# EAGLE board Mk4 Final a Panel score (EAGLE 9.0.1), part 8 of 24 (continued)
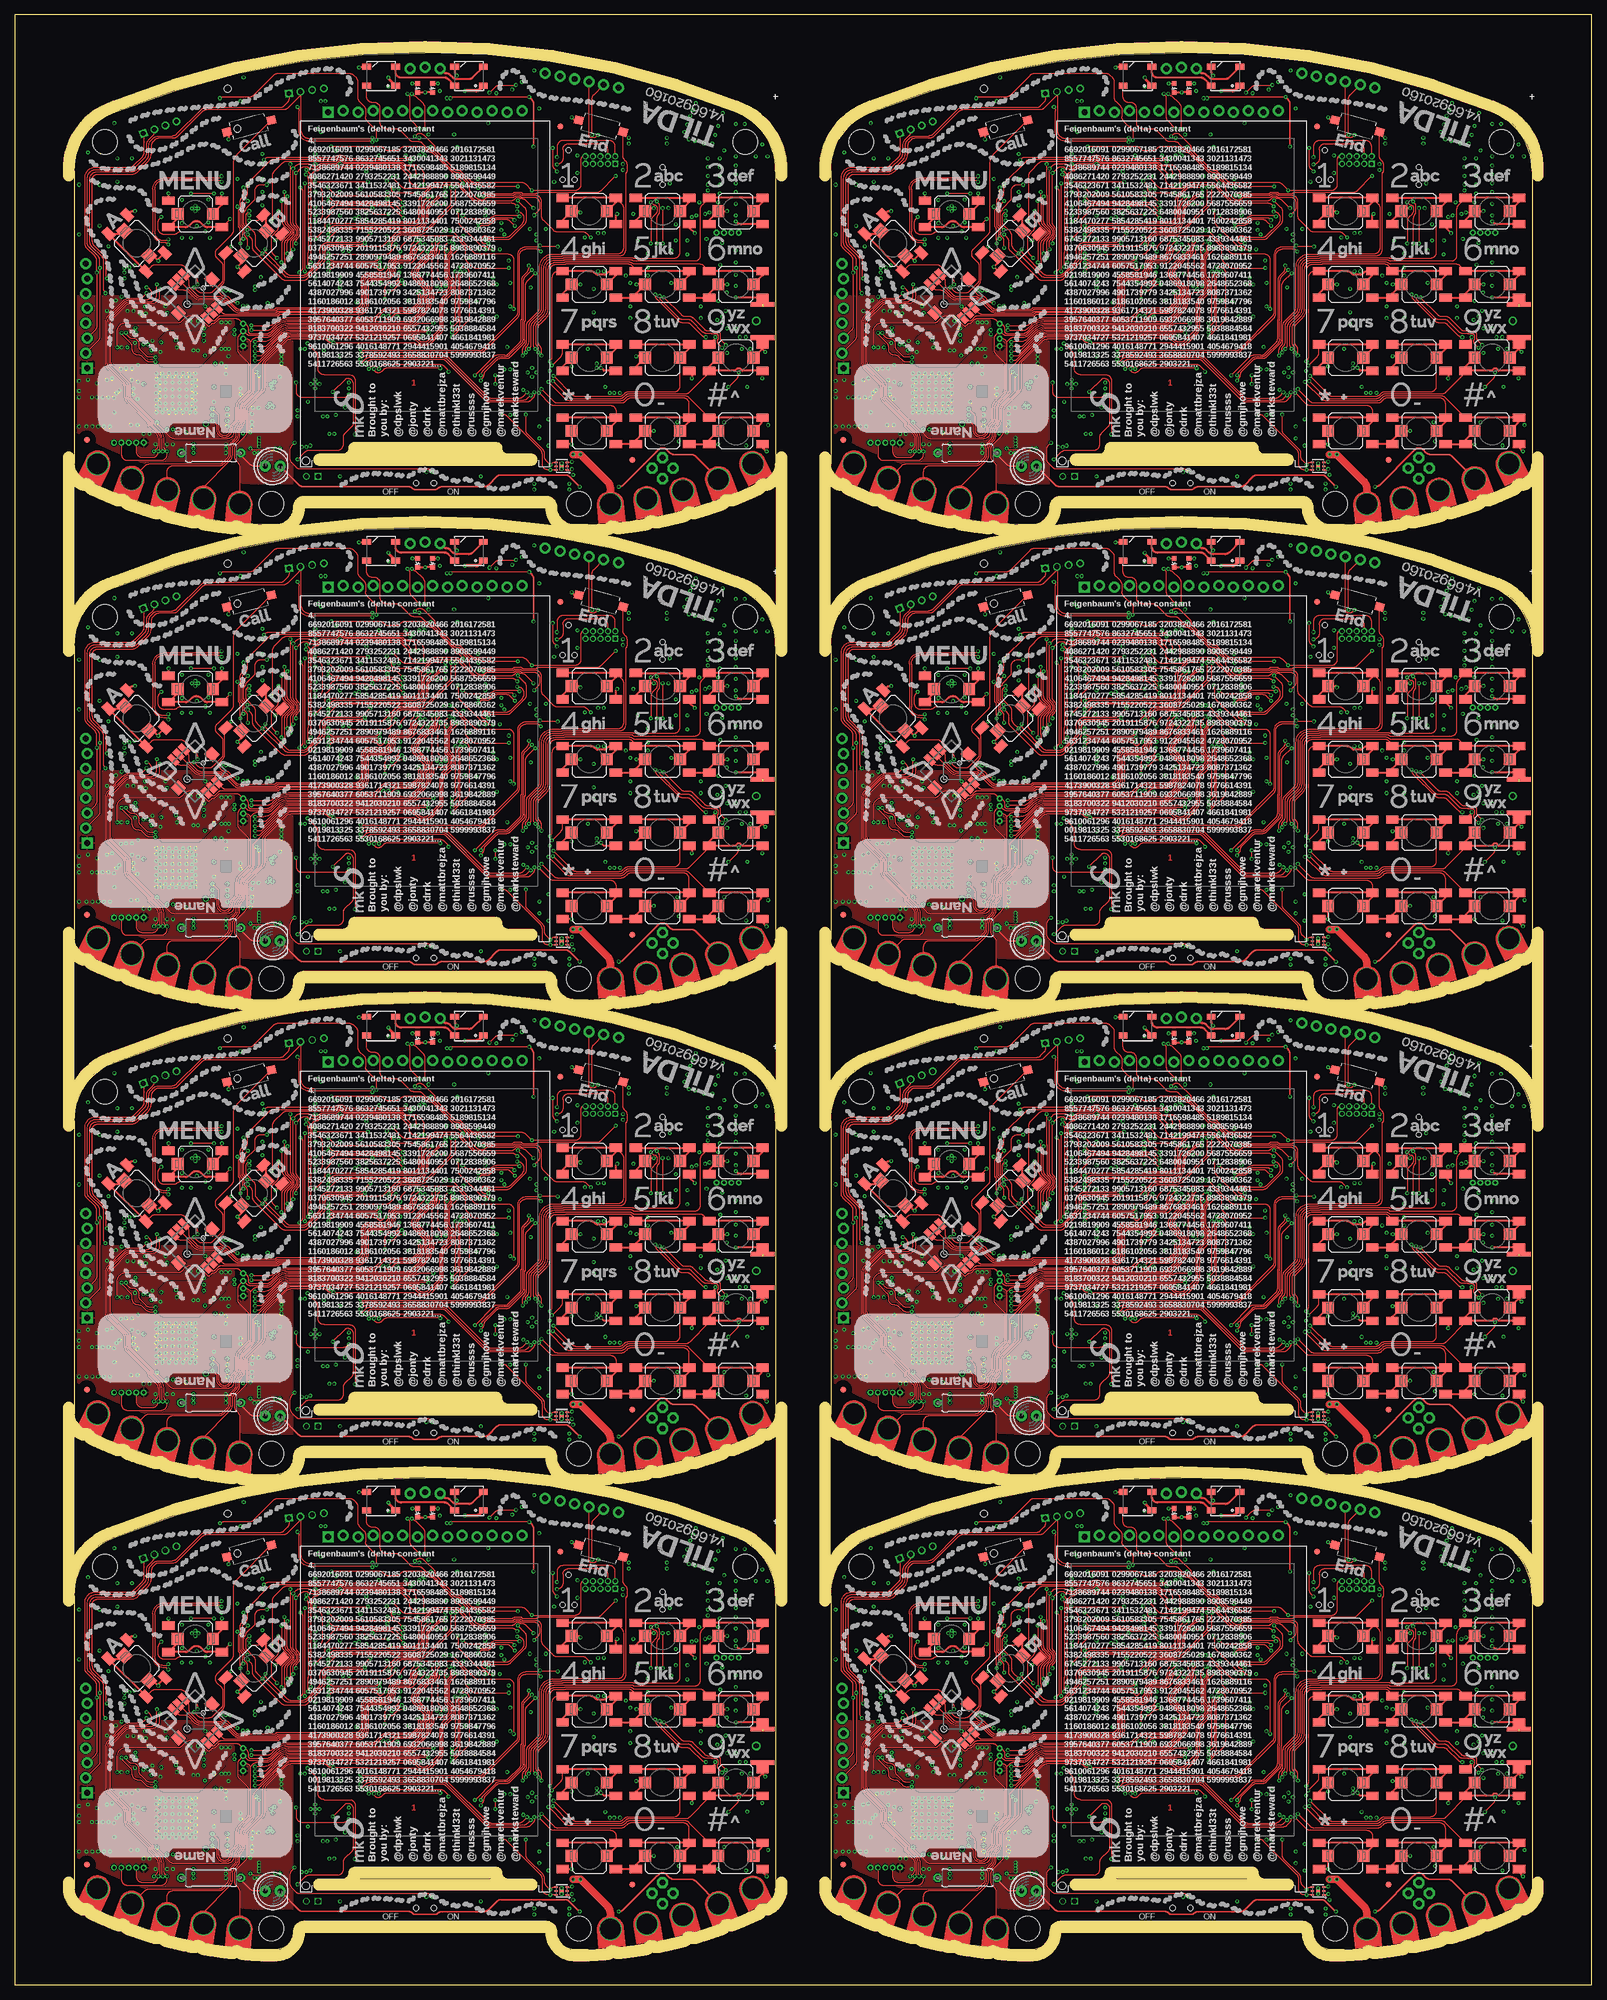
[diagram p0: board, top side]
## Tracks (layer width: path | path; a pad name or v marks a point on that pad's centre or on a via) (continued)
  Top 0.3: S117.2 256.26,185.26 arc45 256.55,185.96 S117.B2 S117.B1
  Bottom 0.15: IC103.12 219.65,192.75 v220.05,192.35
BTN_71  (via drill 0.3)
  Top 0.2: S107.B1 221.7,211.25 arc90 220.7,210.25 220.7,199.2 220.7,199 220.7,196.71 arc-45 220.41,196.01 v220.3,195.9
  Top 0.3: S107.2 231.55,210.55 S107.B2 230.76,211.25 arc45 230.06,210.96 229.9,210.8 arc-45 229.54,210.65 228.46,210.65 arc-45 228.1,210.8 227.94,210.96 arc45 227.24,211.25 S107.B1
  Bottom 0.15: IC103.7 219.65,195.25 v220.3,195.9
BTN_72  (via drill 0.3)
  Top 0.2: v220.63,195.17 222.16,196.7 arc45 222.45,197.4 S108.B1
  Top 0.3: S108.2 231.55,198.05 S108.B2 S108.B1
  Bottom 0.15: IC103.8 219.97,194.75 220.02,194.8 arc45 220.43,194.97 v220.63,195.17
BTN_73  (via drill 0.3)
  Top 0.2: S127.B2 103.61,303.69 arc-45 103.9,302.99 103.9,296.25 arc-90 102.9,295.25 93.31,295.25 93.23,295.18 91.8,295.18 arc90 89.55,292.93 89.55,286.09 arc-45 89.26,285.38 87.62,283.74 arc45 87.33,283.04 87.33,280.31 arc-45 87.03,279.61 86.94,279.52 arc45 86.65,278.81 v86.65,277.85
  Top 0.3: S127.2 102.55,304.05 S127.B2 S127.B1
  Bottom 0.15: IC121.1 87,277.42 arc45 86.94,277.56 v86.65,277.85
BTN_74  (via drill 0.3)
  Top 0.2: S131.2 113.5,295.5 arc-90 112.5,294.5 105.48,294.5 105.44,294.55 93.6,294.55 93.53,294.48 92,294.48 arc90 90.25,292.73 90.25,286.01 arc-45 89.81,284.95 88.39,283.53 arc45 88.1,282.82 88.1,279.81 arc-45 87.81,279.11 v87.7,279
  Top 0.3: S131.2 115.05,304.05 S131.B2 S131.B1
  Bottom 0.15: IC121.3 88,278.29 arc45 v87.71,278.99 v87.7,279
BTN_75  (via drill 0.3)
  Top 0.2: S135.B1 117.29,303.59 arc45 117,302.89 117,295 arc-90 116,294 105.57,294 arc-45 105.43,294.06 105.35,294.14 arc45 105.21,294.2 93.75,294.2 93.67,294.12 92.1,294.12 arc90 90.6,292.62 90.6,285.96 arc-45 90.09,284.73 88.79,283.43 arc45 88.5,282.73 88.5,279.71 arc45 v88.79,279.01 v88.8,279
  Top 0.3: S135.2 127.55,304.05 S135.B2 S135.B1
  Bottom 0.15: IC121.4 88.5,278.29 arc-45 v88.79,278.99 v88.8,279
BTN_76  (via drill 0.3)
  Top 0.2: S130.B2 102.55,268.4 arc90 101.55,269.4 91.91,269.4 arc-45 91.21,269.69 v89.4,271.5
  Top 0.3: S130.2 102.55,266.55 S130.B2 S130.B1
  Bottom 0.15: IC121.14 89,272.31 arc45 89.15,271.95 89.26,271.84 arc-45 v89.4,271.5
BTN_77  (via drill 0.3)
  Top 0.2: S132.B1 105.95,292.55 105.29,293.21 arc45 104.59,293.5 94.03,293.5 93.96,293.43 92.35,293.43 arc90 91.35,292.43 91.35,285.93 arc-45 90.69,284.34 89.59,283.24 arc45 89.3,282.54 89.3,280.19 arc45 89.59,279.48 arc-45 89.85,278.86 v89.85,277.85
  Top 0.3: S132.2 115.05,291.55 S132.B2 S132.B1
  Bottom 0.15: IC121.6 89.5,277.29 arc-45 89.65,277.65 v89.85,277.85
BTN_78  (via drill 0.3)
  Top 0.2: S133.2 113.5,272.7 arc-90 112.5,271.7 104.71,271.7 arc45 104.01,271.41 103.79,271.19 arc-45 103.09,270.9 97.7,270.9 95.81,270.9 arc-45 95.11,271.19 v91.9,274.4
  Top 0.3: S133.2 115.05,279.05 S133.B2 S133.B1
  Bottom 0.15: IC121.10 91.01,274.75 91.03,274.73 91.16,274.73 arc-45 91.87,274.43 v91.9,274.4
BTN_79  (via drill 0.3)
  Top 0.2: S134.B2 115.05,269.6 arc90 114.05,270.6 105.11,270.6 arc45 104.41,270.31 104.19,270.09 arc-45 103.49,269.8 92.61,269.8 arc-45 91.91,270.09 v89.85,272.15
  Top 0.3: S134.2 115.05,266.55 S134.B2 S134.B1 | S134.B1 105.75,267.25 105.5,267 105.7,267 S134.B1
  Bottom 0.15: IC121.13 89.5,272.5 v89.85,272.15
BTN_80  (via drill 0.3)
  Top 0.2: S136.B1 117.49,293.21 arc45 116.79,293.5 105.58,293.5 arc-45 105.44,293.56 arc45 104.73,293.85 93.89,293.85 93.81,293.77 92.25,293.77 arc90 91,292.52 91,285.97 arc-45 90.41,284.56 89.19,283.34 arc45 88.9,282.63 88.9,280.09 arc45 89.19,279.38 arc-45 89.35,279.01 89.35,278.77 89.3,278.72 v89.3,278.4
  Top 0.3: S136.2 127.55,291.55 S136.B2 S136.B1
  Bottom 0.15: IC121.5 89,277.69 arc-45 v89.29,278.39 v89.3,278.4
BTN_81  (via drill 0.3)
  Top 0.2: v91.8,273.5 94.46,270.84 arc45 95.16,270.55 103.23,270.55 arc45 103.94,270.84 104.1,271.01 arc-45 104.81,271.3 114.39,271.3 arc45 115.09,271.59 118.45,274.95 S137.B2
  Top 0.3: S137.2 118.45,275.95 S137.B2 122.9,275.25 123.25,275.6 123.75,275.6 124.1,275.25 S137.B1
  Bottom 0.15: IC121.11 90.64,274.25 arc-45 91.34,273.96 v91.8,273.5
BTN_82  (via drill 0.3)
  Top 0.2: S138.B1 115.04,270.66 arc45 114.34,270.95 104.95,270.95 arc45 104.25,270.66 104.08,270.49 arc-45 103.38,270.2 94.61,270.2 arc-45 93.91,270.49 v91.05,273.35
  Top 0.3: S138.2 127.26,266.26 arc45 127.55,266.96 S138.B2 S138.B1
  Bottom 0.15: IC121.12 90.65,273.75 v91.05,273.35
BTN_83  (via drill 0.3)
  Top 0.2: S128.B1 92.7,292.25 arc90 91.7,291.25 91.7,280.2 91.7,280 91.7,277.71 arc-45 91.41,277.01 v91.3,276.9
  Top 0.3: S128.2 102.55,291.55 S128.B2 101.76,292.25 arc45 101.06,291.96 100.89,291.8 arc-45 100.54,291.65 99.46,291.65 arc-45 99.11,291.8 98.94,291.96 arc45 98.24,292.25 S128.B1
  Bottom 0.15: IC121.7 90.65,276.25 v91.3,276.9
BTN_84  (via drill 0.3)
  Top 0.2: v91.63,276.17 93.16,277.7 arc45 93.45,278.4 S129.B1
  Top 0.3: S129.2 102.55,279.05 S129.B2 S129.B1
  Bottom 0.15: IC121.8 90.97,275.75 91.02,275.8 arc45 91.43,275.97 v91.63,276.17
BTN_85  (via drill 0.3)
  Top 0.2: S148.B2 232.61,303.69 arc-45 232.9,302.99 232.9,296.25 arc-90 231.9,295.25 222.31,295.25 222.24,295.18 220.8,295.18 arc90 218.55,292.93 218.55,286.09 arc-45 218.26,285.38 216.62,283.74 arc45 216.32,283.04 216.32,280.31 arc-45 216.03,279.61 215.94,279.52 arc45 215.65,278.81 v215.65,277.85
  Top 0.3: S148.2 231.55,304.05 S148.B2 S148.B1
  Bottom 0.15: IC139.1 216,277.42 arc45 215.94,277.56 v215.65,277.85
BTN_86  (via drill 0.3)
  Top 0.2: S152.2 242.5,295.5 arc-90 241.5,294.5 234.49,294.5 234.44,294.55 222.6,294.55 222.53,294.48 221,294.48 arc90 219.25,292.73 219.25,286.01 arc-45 218.81,284.95 217.39,283.53 arc45 217.1,282.82 217.1,279.81 arc-45 216.81,279.11 v216.7,279
  Top 0.3: S152.2 244.05,304.05 S152.B2 S152.B1
  Bottom 0.15: IC139.3 217,278.29 arc45 v216.71,278.99 v216.7,279
BTN_87  (via drill 0.3)
  Top 0.2: S156.B1 246.29,303.59 arc45 246,302.89 246,295 arc-90 245,294 234.57,294 arc-45 234.43,294.06 234.35,294.14 arc45 234.21,294.2 222.75,294.2 222.67,294.12 221.1,294.12 arc90 219.6,292.62 219.6,285.96 arc-45 219.09,284.73 217.79,283.43 arc45 217.5,282.73 217.5,279.71 arc45 v217.79,279.01 v217.8,279
  Top 0.3: S156.2 256.55,304.05 S156.B2 S156.B1
  Bottom 0.15: IC139.4 217.5,278.29 arc-45 v217.79,278.99 v217.8,279
BTN_88  (via drill 0.3)
  Top 0.2: S151.B2 231.55,268.4 arc90 230.55,269.4 220.91,269.4 arc-45 220.21,269.69 v218.4,271.5
  Top 0.3: S151.2 231.55,266.55 S151.B2 S151.B1
  Bottom 0.15: IC139.14 218,272.31 arc45 218.15,271.95 218.26,271.84 arc-45 v218.4,271.5
BTN_89  (via drill 0.3)
  Top 0.2: S153.B1 234.95,292.55 234.29,293.21 arc45 233.59,293.5 223.03,293.5 222.96,293.43 221.35,293.43 arc90 220.35,292.43 220.35,285.93 arc-45 219.69,284.34 218.59,283.24 arc45 218.3,282.54 218.3,280.19 arc45 218.59,279.48 arc-45 218.85,278.86 v218.85,277.85
  Top 0.3: S153.2 244.05,291.55 S153.B2 S153.B1
  Bottom 0.15: IC139.6 218.5,277.29 arc-45 218.65,277.65 v218.85,277.85
BTN_90  (via drill 0.3)
  Top 0.2: S154.2 242.5,272.7 arc-90 241.5,271.7 233.71,271.7 arc45 233.01,271.41 232.79,271.19 arc-45 232.09,270.9 226.7,270.9 224.81,270.9 arc-45 224.11,271.19 v220.9,274.4
  Top 0.3: S154.2 244.05,279.05 S154.B2 S154.B1
  Bottom 0.15: IC139.10 220.01,274.75 220.03,274.73 220.16,274.73 arc-45 220.87,274.43 v220.9,274.4
BTN_91  (via drill 0.3)
  Top 0.2: S155.B2 244.05,269.6 arc90 243.05,270.6 234.11,270.6 arc45 233.41,270.31 233.19,270.09 arc-45 232.49,269.8 221.61,269.8 arc-45 220.91,270.09 v218.85,272.15
  Top 0.3: S155.2 244.05,266.55 S155.B2 S155.B1 | S155.B1 234.75,267.25 234.5,267 234.7,267 S155.B1
  Bottom 0.15: IC139.13 218.5,272.5 v218.85,272.15
BTN_92  (via drill 0.3)
  Top 0.2: S157.B1 246.49,293.21 arc45 245.79,293.5 234.58,293.5 arc-45 234.44,293.56 arc45 233.73,293.85 222.89,293.85 222.81,293.77 221.25,293.77 arc90 220,292.52 220,285.97 arc-45 219.41,284.56 218.19,283.34 arc45 217.9,282.63 217.9,280.09 arc45 218.19,279.38 arc-45 218.35,279.01 218.35,278.77 218.3,278.72 v218.3,278.4
  Top 0.3: S157.2 256.55,291.55 S157.B2 S157.B1
  Bottom 0.15: IC139.5 218,277.69 arc-45 v218.29,278.39 v218.3,278.4
BTN_93  (via drill 0.3)
  Top 0.2: v220.8,273.5 223.46,270.84 arc45 224.16,270.55 232.23,270.55 arc45 232.94,270.84 233.1,271.01 arc-45 233.81,271.3 243.39,271.3 arc45 244.09,271.59 247.45,274.95 S158.B2
  Top 0.3: S158.2 247.45,275.95 S158.B2 251.9,275.25 252.25,275.6 252.75,275.6 253.1,275.25 S158.B1
  Bottom 0.15: IC139.11 219.64,274.25 arc-45 220.34,273.96 v220.8,273.5
BTN_94  (via drill 0.3)
  Top 0.2: S159.B1 244.04,270.66 arc45 243.34,270.95 233.95,270.95 arc45 233.25,270.66 233.08,270.49 arc-45 232.38,270.2 223.61,270.2 arc-45 222.91,270.49 v220.05,273.35
  Top 0.3: S159.2 256.26,266.26 arc45 256.55,266.96 S159.B2 S159.B1
  Bottom 0.15: IC139.12 219.65,273.75 v220.05,273.35
BTN_95  (via drill 0.3)
  Top 0.2: S149.B1 221.7,292.25 arc90 220.7,291.25 220.7,280.2 220.7,280 220.7,277.71 arc-45 220.41,277.01 v220.3,276.9
  Top 0.3: S149.2 231.55,291.55 S149.B2 230.76,292.25 arc45 230.06,291.96 229.9,291.8 arc-45 229.54,291.65 228.46,291.65 arc-45 228.1,291.8 227.94,291.96 arc45 227.24,292.25 S149.B1
  Bottom 0.15: IC139.7 219.65,276.25 v220.3,276.9
BTN_96  (via drill 0.3)
  Top 0.2: v220.63,276.17 222.16,277.7 arc45 222.45,278.4 S150.B1
  Top 0.3: S150.2 231.55,279.05 S150.B2 S150.B1
  Bottom 0.15: IC139.8 219.97,275.75 220.02,275.8 arc45 220.43,275.97 v220.63,276.17
BTN_A  (via drill 0.3)
  Top 0.15: v59,33.4 59.81,34.21 arc-45 60.51,34.5 72.98,34.5 arc-45 73.87,34.13 80.43,27.57 arc45 81.32,27.2 86.69,27.2 arc45 87.39,27.49 v88,28.1 | S13.B1 23.34,50.11 arc-45 24.05,50.4 28.19,50.4 arc-45 28.89,50.11 30.91,48.09 arc-45 31.2,47.39 v31.2,47
  Top 0.3: S13.2 18.18,55.63 S13.B2 S13.B1
  Bottom 0.15: IC4.16 v88,28.1 | v59,33.4 58.81,33.4 arc-45 58.11,33.69 55.99,35.81 arc45 55.11,36.17 54.19,36.17 arc-45 53.31,36.54 49.72,40.13 arc45 48.83,40.5 41.75,40.5 arc-45 41.61,40.56 41.4,40.77 arc45 41.26,40.83 40.72,40.83 arc-45 39.83,41.19 38.09,42.93 arc45 37.21,43.3 34.94,43.3 arc-45 34.23,43.59 33.29,44.53 arc45 32.41,44.9 32.2,44.9 arc-90 31.2,45.9 v31.2,47
BTN_A1  (via drill 0.3)
  Top 0.15: v188,33.4 188.81,34.21 arc-45 189.51,34.5 201.98,34.5 arc-45 202.87,34.13 209.43,27.57 arc45 210.32,27.2 215.69,27.2 arc45 216.39,27.49 v217,28.1 | S35.B1 152.34,50.11 arc-45 153.05,50.4 157.19,50.4 arc-45 157.89,50.11 159.91,48.09 arc-45 160.2,47.39 v160.2,47
  Top 0.3: S35.2 147.18,55.63 S35.B2 S35.B1
  Bottom 0.15: IC31.16 v217,28.1 | v188,33.4 187.81,33.4 arc-45 187.11,33.69 184.99,35.81 arc45 184.11,36.17 183.19,36.17 arc-45 182.31,36.54 178.72,40.13 arc45 177.83,40.5 170.75,40.5 arc-45 170.61,40.56 170.4,40.77 arc45 170.26,40.83 169.72,40.83 arc-45 168.83,41.19 167.09,42.93 arc45 166.21,43.3 163.94,43.3 arc-45 163.23,43.59 162.29,44.53 arc45 161.41,44.9 161.2,44.9 arc-90 160.2,45.9 v160.2,47
BTN_A2  (via drill 0.3)
  Top 0.15: v59,114.4 59.81,115.21 arc-45 60.51,115.5 72.98,115.5 arc-45 73.87,115.13 80.43,108.57 arc45 81.32,108.2 86.69,108.2 arc45 87.39,108.49 v88,109.1 | S56.B1 23.34,131.11 arc-45 24.05,131.4 28.19,131.4 arc-45 28.89,131.11 30.91,129.09 arc-45 31.2,128.39 v31.2,128
  Top 0.3: S56.2 18.18,136.63 S56.B2 S56.B1
  Bottom 0.15: IC49.16 v88,109.1 | v59,114.4 58.81,114.4 arc-45 58.11,114.69 55.99,116.81 arc45 55.11,117.17 54.19,117.17 arc-45 53.31,117.54 49.72,121.13 arc45 48.83,121.5 41.75,121.5 arc-45 41.61,121.56 41.4,121.77 arc45 41.26,121.83 40.72,121.83 arc-45 39.83,122.19 38.09,123.93 arc45 37.21,124.3 34.94,124.3 arc-45 34.23,124.59 33.29,125.53 arc45 32.41,125.9 32.2,125.9 arc-90 31.2,126.9 v31.2,128
BTN_A3  (via drill 0.3)
  Top 0.15: v188,114.4 188.81,115.21 arc-45 189.51,115.5 201.98,115.5 arc-45 202.87,115.13 209.43,108.57 arc45 210.32,108.2 215.69,108.2 arc45 216.39,108.49 v217,109.1 | S77.B1 152.34,131.11 arc-45 153.05,131.4 157.19,131.4 arc-45 157.89,131.11 159.91,129.09 arc-45 160.2,128.39 v160.2,128
  Top 0.3: S77.2 147.18,136.63 S77.B2 S77.B1
  Bottom 0.15: IC67.16 v217,109.1 | v188,114.4 187.81,114.4 arc-45 187.11,114.69 184.99,116.81 arc45 184.11,117.17 183.19,117.17 arc-45 182.31,117.54 178.72,121.13 arc45 177.83,121.5 170.75,121.5 arc-45 170.61,121.56 170.4,121.77 arc45 170.26,121.83 169.72,121.83 arc-45 168.83,122.19 167.09,123.93 arc45 166.21,124.3 163.94,124.3 arc-45 163.23,124.59 162.29,125.53 arc45 161.41,125.9 161.2,125.9 arc-90 160.2,126.9 v160.2,128
BTN_A4  (via drill 0.3)
  Top 0.15: v59,195.4 59.81,196.21 arc-45 60.51,196.5 72.98,196.5 arc-45 73.87,196.13 80.43,189.57 arc45 81.32,189.2 86.69,189.2 arc45 87.39,189.49 v88,190.1 | S98.B1 23.34,212.11 arc-45 24.05,212.4 28.19,212.4 arc-45 28.89,212.11 30.91,210.09 arc-45 31.2,209.39 v31.2,209
  Top 0.3: S98.2 18.18,217.63 S98.B2 S98.B1
  Bottom 0.15: IC85.16 v88,190.1 | v59,195.4 58.81,195.4 arc-45 58.11,195.69 55.99,197.81 arc45 55.11,198.18 54.19,198.18 arc-45 53.31,198.54 49.72,202.13 arc45 48.83,202.5 41.75,202.5 arc-45 41.61,202.56 41.4,202.77 arc45 41.26,202.82 40.72,202.82 arc-45 39.83,203.19 38.09,204.93 arc45 37.21,205.3 34.94,205.3 arc-45 34.23,205.59 33.29,206.53 arc45 32.41,206.9 32.2,206.9 arc-90 31.2,207.9 v31.2,209
BTN_A5  (via drill 0.3)
  Top 0.15: v188,195.4 188.81,196.21 arc-45 189.51,196.5 201.98,196.5 arc-45 202.87,196.13 209.43,189.57 arc45 210.32,189.2 215.69,189.2 arc45 216.39,189.49 v217,190.1 | S119.B1 152.34,212.11 arc-45 153.05,212.4 157.19,212.4 arc-45 157.89,212.11 159.91,210.09 arc-45 160.2,209.39 v160.2,209
  Top 0.3: S119.2 147.18,217.63 S119.B2 S119.B1
  Bottom 0.15: IC103.16 v217,190.1 | v188,195.4 187.81,195.4 arc-45 187.11,195.69 184.99,197.81 arc45 184.11,198.18 183.19,198.18 arc-45 182.31,198.54 178.72,202.13 arc45 177.83,202.5 170.75,202.5 arc-45 170.61,202.56 170.4,202.77 arc45 170.26,202.82 169.72,202.82 arc-45 168.83,203.19 167.09,204.93 arc45 166.21,205.3 163.94,205.3 arc-45 163.23,205.59 162.29,206.53 arc45 161.41,206.9 161.2,206.9 arc-90 160.2,207.9 v160.2,209
BTN_A6  (via drill 0.3)
  Top 0.15: v59,276.4 59.81,277.21 arc-45 60.51,277.5 72.98,277.5 arc-45 73.87,277.13 80.43,270.57 arc45 81.32,270.2 86.69,270.2 arc45 87.39,270.49 v88,271.1 | S140.B1 23.34,293.11 arc-45 24.05,293.4 28.19,293.4 arc-45 28.89,293.11 30.91,291.09 arc-45 31.2,290.39 v31.2,290
  Top 0.3: S140.2 18.18,298.63 S140.B2 S140.B1
  Bottom 0.15: IC121.16 v88,271.1 | v59,276.4 58.81,276.4 arc-45 58.11,276.69 55.99,278.81 arc45 55.11,279.18 54.19,279.18 arc-45 53.31,279.54 49.72,283.13 arc45 48.83,283.5 41.75,283.5 arc-45 41.61,283.56 41.4,283.77 arc45 41.26,283.82 40.72,283.82 arc-45 39.83,284.19 38.09,285.93 arc45 37.21,286.3 34.94,286.3 arc-45 34.23,286.59 33.29,287.53 arc45 32.41,287.9 32.2,287.9 arc-90 31.2,288.9 v31.2,290
BTN_A7  (via drill 0.3)
  Top 0.15: v188,276.4 188.81,277.21 arc-45 189.51,277.5 201.98,277.5 arc-45 202.87,277.13 209.43,270.57 arc45 210.32,270.2 215.69,270.2 arc45 216.39,270.49 v217,271.1 | S161.B1 152.34,293.11 arc-45 153.05,293.4 157.19,293.4 arc-45 157.89,293.11 159.91,291.09 arc-45 160.2,290.39 v160.2,290
  Top 0.3: S161.2 147.18,298.63 S161.B2 S161.B1
  Bottom 0.15: IC139.16 v217,271.1 | v188,276.4 187.81,276.4 arc-45 187.11,276.69 184.99,278.81 arc45 184.11,279.18 183.19,279.18 arc-45 182.31,279.54 178.72,283.13 arc45 177.83,283.5 170.75,283.5 arc-45 170.61,283.56 170.4,283.77 arc45 170.26,283.82 169.72,283.82 arc-45 168.83,284.19 167.09,285.93 arc45 166.21,286.3 163.94,286.3 arc-45 163.23,286.59 162.29,287.53 arc45 161.41,287.9 161.2,287.9 arc-90 160.2,288.9 v160.2,290
BTN_B  (via drill 0.3)
  Top 0.15: v87.4,28.6 86.59,27.79 arc-45 85.89,27.5 81.41,27.5 arc-45 80.71,27.79 74.09,34.41 arc45 73.03,34.85 60.06,34.85 arc45 59.36,34.56 v59,34.2 | S15.B2 41.52,57.9 v40,57.9 | v37,53.5 arc-45 36.92,53.3 S15.B1 35.8,52.18 35.8,47.82 arc-45 35.43,46.93 34.86,46.36 arc90 34.86,45.65 35.41,45.1 arc45 35.77,44.95 36.14,44.95 arc-45 36.5,44.8 37.21,44.09 arc45 37.91,43.8 v38,43.8
  Top 0.3: S15.2 42.92,58.31 S15.B2
  Bottom 0.15: IC4.17 87.5,28.7 v87.4,28.6 | v59,34.2 58.44,34.2 arc-45 57.73,34.49 56.19,36.04 arc45 55.13,36.48 54.22,36.48 arc-45 53.51,36.77 49.91,40.36 arc45 48.85,40.8 41.87,40.8 arc-45 41.73,40.86 41.52,41.07 arc45 41.38,41.12 40.79,41.12 arc-45 40.08,41.42 38.15,43.35 arc-45 38,43.71 v38,43.8 | v40,57.9 37.29,55.19 arc45 37,54.49 v37,53.5
BTN_B1  (via drill 0.3)
  Top 0.15: v216.4,28.6 215.59,27.79 arc-45 214.89,27.5 210.41,27.5 arc-45 209.71,27.79 203.09,34.41 arc45 202.03,34.85 189.06,34.85 arc45 188.36,34.56 v188,34.2 | S34.B2 170.52,57.9 v169,57.9 | v166,53.5 arc-45 165.92,53.3 S34.B1 164.8,52.18 164.8,47.82 arc-45 164.43,46.93 163.86,46.36 arc90 163.86,45.65 164.41,45.1 arc45 164.76,44.95 165.14,44.95 arc-45 165.5,44.8 166.21,44.09 arc45 166.91,43.8 v167,43.8
  Top 0.3: S34.2 171.92,58.31 S34.B2
  Bottom 0.15: IC31.17 216.5,28.7 v216.4,28.6 | v188,34.2 187.44,34.2 arc-45 186.73,34.49 185.19,36.04 arc45 184.13,36.48 183.22,36.48 arc-45 182.51,36.77 178.92,40.36 arc45 177.85,40.8 170.87,40.8 arc-45 170.73,40.86 170.53,41.07 arc45 170.38,41.12 169.79,41.12 arc-45 169.08,41.42 167.15,43.35 arc-45 167,43.71 v167,43.8 | v169,57.9 166.29,55.19 arc45 166,54.49 v166,53.5
BTN_B2  (via drill 0.3)
  Top 0.15: v87.4,109.6 86.59,108.79 arc-45 85.89,108.5 81.41,108.5 arc-45 80.71,108.79 74.09,115.41 arc45 73.03,115.85 60.06,115.85 arc45 59.36,115.56 v59,115.2 | S55.B2 41.52,138.9 v40,138.9 | v37,134.5 arc-45 36.92,134.3 S55.B1 35.8,133.18 35.8,128.82 arc-45 35.43,127.93 34.86,127.36 arc90 34.86,126.65 35.41,126.1 arc45 35.77,125.95 36.14,125.95 arc-45 36.5,125.8 37.21,125.09 arc45 37.91,124.8 v38,124.8
  Top 0.3: S55.2 42.92,139.31 S55.B2
  Bottom 0.15: IC49.17 87.5,109.7 v87.4,109.6 | v59,115.2 58.44,115.2 arc-45 57.73,115.49 56.19,117.04 arc45 55.13,117.47 54.22,117.47 arc-45 53.51,117.77 49.91,121.36 arc45 48.85,121.8 41.87,121.8 arc-45 41.73,121.86 41.52,122.07 arc45 41.38,122.12 40.79,122.12 arc-45 40.08,122.42 38.15,124.35 arc-45 38,124.71 v38,124.8 | v40,138.9 37.29,136.19 arc45 37,135.49 v37,134.5
BTN_B3  (via drill 0.3)
  Top 0.15: v216.4,109.6 215.59,108.79 arc-45 214.89,108.5 210.41,108.5 arc-45 209.71,108.79 203.09,115.41 arc45 202.03,115.85 189.06,115.85 arc45 188.36,115.56 v188,115.2 | S76.B2 170.52,138.9 v169,138.9 | v166,134.5 arc-45 165.92,134.3 S76.B1 164.8,133.18 164.8,128.82 arc-45 164.43,127.93 163.86,127.36 arc90 163.86,126.65 164.41,126.1 arc45 164.76,125.95 165.14,125.95 arc-45 165.5,125.8 166.21,125.09 arc45 166.91,124.8 v167,124.8
  Top 0.3: S76.2 171.92,139.31 S76.B2
  Bottom 0.15: IC67.17 216.5,109.7 v216.4,109.6 | v188,115.2 187.44,115.2 arc-45 186.73,115.49 185.19,117.04 arc45 184.13,117.47 183.22,117.47 arc-45 182.51,117.77 178.92,121.36 arc45 177.85,121.8 170.87,121.8 arc-45 170.73,121.86 170.53,122.07 arc45 170.38,122.12 169.79,122.12 arc-45 169.08,122.42 167.15,124.35 arc-45 167,124.71 v167,124.8 | v169,138.9 166.29,136.19 arc45 166,135.49 v166,134.5
BTN_B4  (via drill 0.3)
  Top 0.15: v87.4,190.6 86.59,189.79 arc-45 85.89,189.5 81.41,189.5 arc-45 80.71,189.79 74.09,196.41 arc45 73.03,196.85 60.06,196.85 arc45 59.36,196.56 v59,196.2 | S97.B2 41.52,219.9 v40,219.9 | v37,215.5 arc-45 36.92,215.3 S97.B1 35.8,214.18 35.8,209.82 arc-45 35.43,208.93 34.86,208.36 arc90 34.86,207.65 35.41,207.1 arc45 35.77,206.95 36.14,206.95 arc-45 36.5,206.8 37.21,206.09 arc45 37.91,205.8 v38,205.8
  Top 0.3: S97.2 42.92,220.31 S97.B2
  Bottom 0.15: IC85.17 87.5,190.7 v87.4,190.6 | v59,196.2 58.44,196.2 arc-45 57.73,196.49 56.19,198.04 arc45 55.13,198.47 54.22,198.47 arc-45 53.51,198.77 49.91,202.36 arc45 48.85,202.8 41.87,202.8 arc-45 41.73,202.86 41.52,203.07 arc45 41.38,203.12 40.79,203.12 arc-45 40.08,203.42 38.15,205.35 arc-45 38,205.71 v38,205.8 | v40,219.9 37.29,217.19 arc45 37,216.49 v37,215.5
BTN_B5  (via drill 0.3)
  Top 0.15: v216.4,190.6 215.59,189.79 arc-45 214.89,189.5 210.41,189.5 arc-45 209.71,189.79 203.09,196.41 arc45 202.03,196.85 189.06,196.85 arc45 188.36,196.56 v188,196.2 | S118.B2 170.52,219.9 v169,219.9 | v166,215.5 arc-45 165.92,215.3 S118.B1 164.8,214.18 164.8,209.82 arc-45 164.43,208.93 163.86,208.36 arc90 163.86,207.65 164.41,207.1 arc45 164.76,206.95 165.14,206.95 arc-45 165.5,206.8 166.21,206.09 arc45 166.91,205.8 v167,205.8
  Top 0.3: S118.2 171.92,220.31 S118.B2
  Bottom 0.15: IC103.17 216.5,190.7 v216.4,190.6 | v188,196.2 187.44,196.2 arc-45 186.73,196.49 185.19,198.04 arc45 184.13,198.47 183.22,198.47 arc-45 182.51,198.77 178.92,202.36 arc45 177.85,202.8 170.87,202.8 arc-45 170.73,202.86 170.53,203.07 arc45 170.38,203.12 169.79,203.12 arc-45 169.08,203.42 167.15,205.35 arc-45 167,205.71 v167,205.8 | v169,219.9 166.29,217.19 arc45 166,216.49 v166,215.5
BTN_B6  (via drill 0.3)
  Top 0.15: v87.4,271.6 86.59,270.79 arc-45 85.89,270.5 81.41,270.5 arc-45 80.71,270.79 74.09,277.41 arc45 73.03,277.85 60.06,277.85 arc45 59.36,277.56 v59,277.2 | S139.B2 41.52,300.9 v40,300.9 | v37,296.5 arc-45 36.92,296.3 S139.B1 35.8,295.18 35.8,290.82 arc-45 35.43,289.93 34.86,289.36 arc90 34.86,288.65 35.41,288.1 arc45 35.77,287.95 36.14,287.95 arc-45 36.5,287.8 37.21,287.09 arc45 37.91,286.8 v38,286.8
  Top 0.3: S139.2 42.92,301.31 S139.B2
  Bottom 0.15: IC121.17 87.5,271.7 v87.4,271.6 | v59,277.2 58.44,277.2 arc-45 57.73,277.49 56.19,279.04 arc45 55.13,279.48 54.22,279.48 arc-45 53.51,279.77 49.91,283.36 arc45 48.85,283.8 41.87,283.8 arc-45 41.73,283.86 41.52,284.07 arc45 41.38,284.12 40.79,284.12 arc-45 40.08,284.42 38.15,286.35 arc-45 38,286.71 v38,286.8 | v40,300.9 37.29,298.19 arc45 37,297.49 v37,296.5
BTN_B7  (via drill 0.3)
  Top 0.15: v216.4,271.6 215.59,270.79 arc-45 214.89,270.5 210.41,270.5 arc-45 209.71,270.79 203.09,277.41 arc45 202.03,277.85 189.06,277.85 arc45 188.36,277.56 v188,277.2 | S160.B2 170.52,300.9 v169,300.9 | v166,296.5 arc-45 165.92,296.3 S160.B1 164.8,295.18 164.8,290.82 arc-45 164.43,289.93 163.86,289.36 arc90 163.86,288.65 164.41,288.1 arc45 164.76,287.95 165.14,287.95 arc-45 165.5,287.8 166.21,287.09 arc45 166.91,286.8 v167,286.8
  Top 0.3: S160.2 171.92,301.31 S160.B2
  Bottom 0.15: IC139.17 216.5,271.7 v216.4,271.6 | v188,277.2 187.44,277.2 arc-45 186.73,277.49 185.19,279.04 arc45 184.13,279.48 183.22,279.48 arc-45 182.51,279.77 178.92,283.36 arc45 177.85,283.8 170.87,283.8 arc-45 170.73,283.86 170.53,284.07 arc45 170.38,284.12 169.79,284.12 arc-45 169.08,284.42 167.15,286.35 arc-45 167,286.71 v167,286.8 | v169,300.9 166.29,298.19 arc45 166,297.49 v166,296.5
BTN_CALL  (via drill 0.3)
  Top 0.15: v88.65,28.6 88.65,28.26 arc-45 88.36,27.56 87.99,27.19 arc-45 87.29,26.9 81.22,26.9 arc-45 80.16,27.34 73.59,33.91 arc45 72.89,34.2 61.01,34.2 arc45 60.31,33.91 v59.8,33.4 | S16.2 37.86,69.1 arc45 37.27,67.69 37.27,56.19 arc-45 36.98,55.48 34.46,52.96 arc90 34.46,51.54 35.21,50.79 arc-45 35.5,50.09 35.5,47.91 arc-45 35.21,47.21 33.79,45.79 arc-45 33.08,45.49 32.02,45.49 arc-45 31.31,45.79 v30.6,46.5
  Bottom 0.15: IC4.15 88.5,28.75 v88.65,28.6 | v59.8,33.4 59.38,32.98 arc-90 58.32,32.98 55.72,35.58 arc45 55.01,35.88 54.17,35.88 arc-45 53.11,36.31 49.52,39.91 arc45 48.81,40.2 41.62,40.2 arc-45 41.48,40.26 41.28,40.47 arc45 41.14,40.52 40.7,40.52 arc-45 39.64,40.96 37.89,42.71 arc45 37.19,43 34.92,43 arc-45 34.03,43.37 33.09,44.31 arc45 32.39,44.6 31.85,44.6 arc-90 30.6,45.85 v30.6,46.5
BTN_CALL1  (via drill 0.3)
  Top 0.15: v217.65,28.6 217.65,28.26 arc-45 217.36,27.56 216.99,27.19 arc-45 216.29,26.9 210.22,26.9 arc-45 209.16,27.34 202.59,33.91 arc45 201.89,34.2 190.01,34.2 arc45 189.31,33.91 v188.8,33.4 | S37.2 166.86,69.1 arc45 166.28,67.69 166.28,56.19 arc-45 165.98,55.48 163.46,52.96 arc90 163.46,51.54 164.21,50.79 arc-45 164.5,50.09 164.5,47.91 arc-45 164.21,47.21 162.79,45.79 arc-45 162.08,45.49 161.02,45.49 arc-45 160.31,45.79 v159.6,46.5
  Bottom 0.15: IC31.15 217.5,28.75 v217.65,28.6 | v188.8,33.4 188.38,32.98 arc-90 187.32,32.98 184.72,35.58 arc45 184.01,35.88 183.17,35.88 arc-45 182.11,36.31 178.52,39.91 arc45 177.81,40.2 170.62,40.2 arc-45 170.48,40.26 170.28,40.47 arc45 170.13,40.52 169.7,40.52 arc-45 168.64,40.96 166.89,42.71 arc45 166.19,43 163.92,43 arc-45 163.03,43.37 162.09,44.31 arc45 161.39,44.6 160.85,44.6 arc-90 159.6,45.85 v159.6,46.5
BTN_CALL2  (via drill 0.3)
  Top 0.15: v88.65,109.6 88.65,109.26 arc-45 88.36,108.56 87.99,108.19 arc-45 87.29,107.9 81.22,107.9 arc-45 80.16,108.34 73.59,114.91 arc45 72.89,115.2 61.01,115.2 arc45 60.31,114.91 v59.8,114.4 | S58.2 37.86,150.1 arc45 37.27,148.69 37.27,137.19 arc-45 36.98,136.48 34.46,133.96 arc90 34.46,132.54 35.21,131.79 arc-45 35.5,131.09 35.5,128.91 arc-45 35.21,128.21 33.79,126.79 arc-45 33.08,126.49 32.02,126.49 arc-45 31.31,126.79 v30.6,127.5
  Bottom 0.15: IC49.15 88.5,109.75 v88.65,109.6 | v59.8,114.4 59.38,113.98 arc-90 58.32,113.98 55.72,116.58 arc45 55.01,116.88 54.17,116.88 arc-45 53.11,117.31 49.52,120.91 arc45 48.81,121.2 41.62,121.2 arc-45 41.48,121.26 41.28,121.47 arc45 41.14,121.53 40.7,121.53 arc-45 39.64,121.96 37.89,123.71 arc45 37.19,124 34.92,124 arc-45 34.03,124.37 33.09,125.31 arc45 32.39,125.6 31.85,125.6 arc-90 30.6,126.85 v30.6,127.5